# Altium PCB 中子法测量土壤水分_V1.5.PcbDoc (continued)
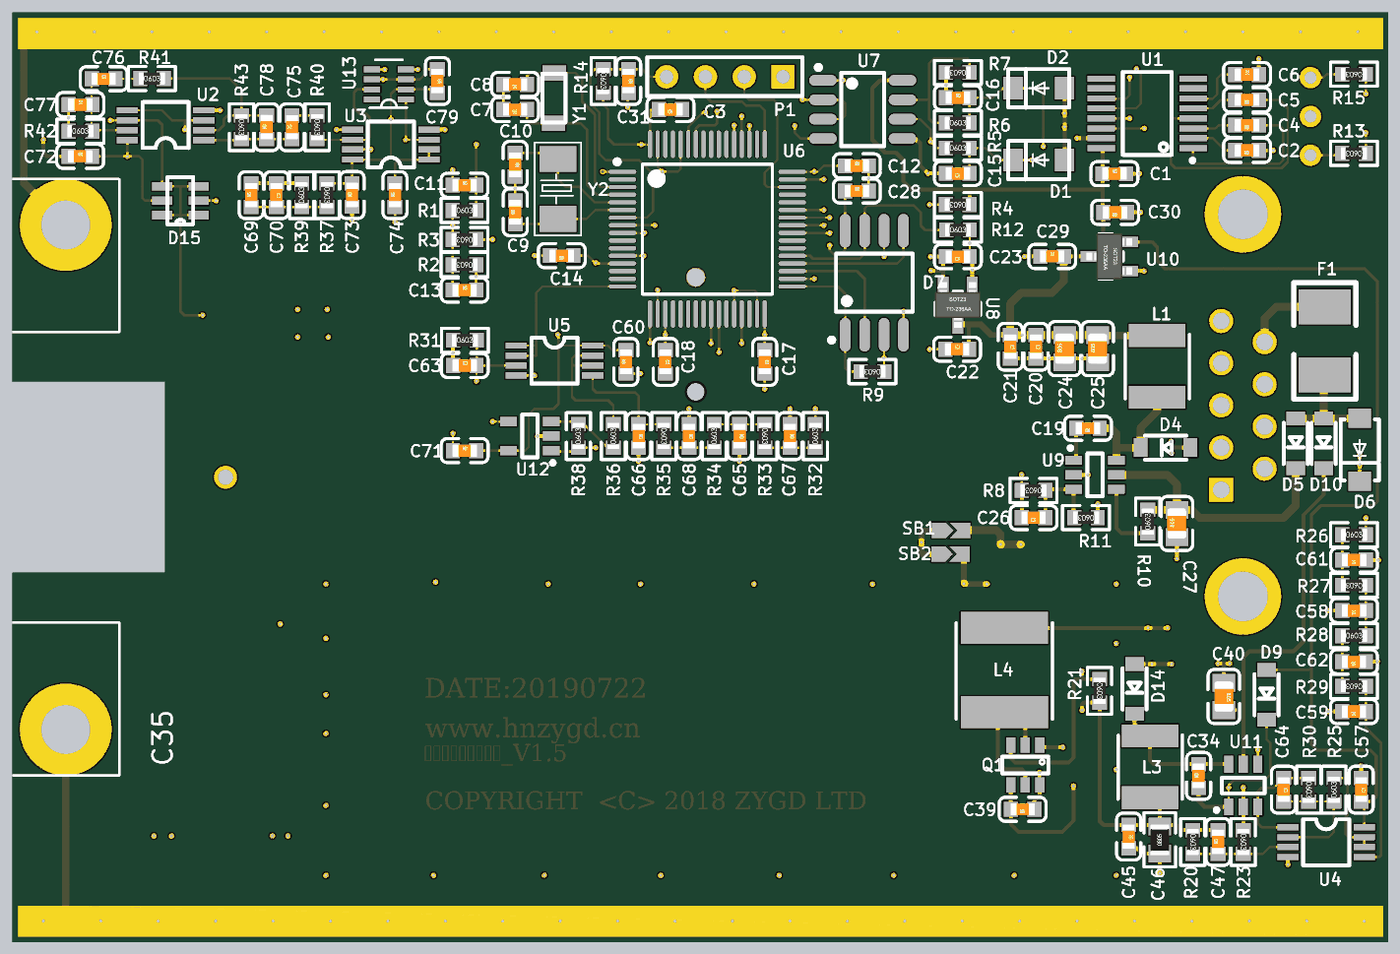
[diagram p4: 3D render of the assembled board from above, using the file's embedded part models]
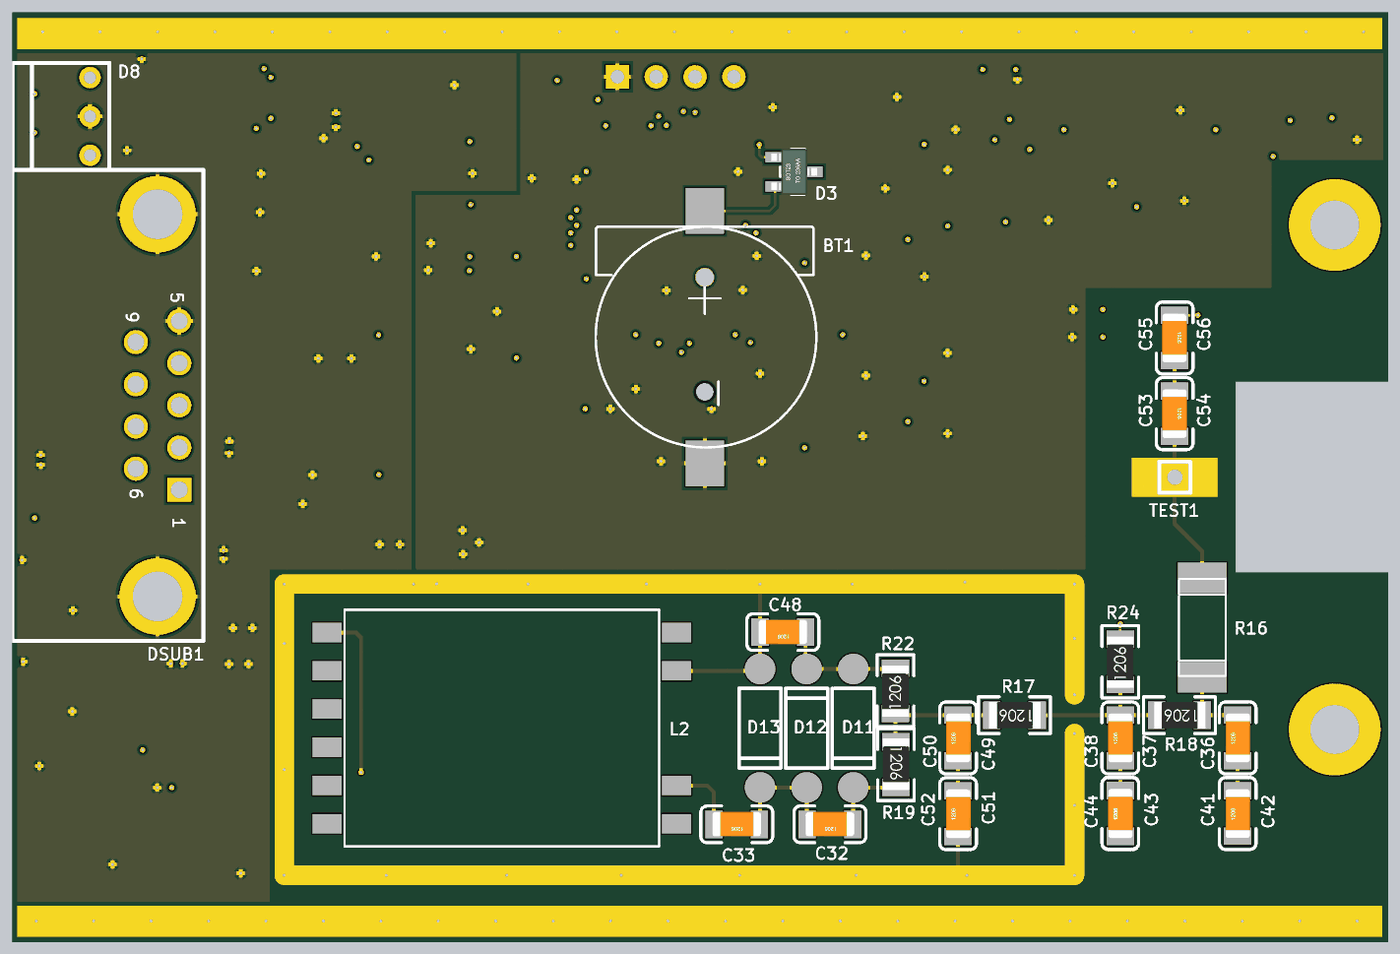
[diagram p5: 3D render of the assembled board from below, using the file's embedded part models]

## Layer stack, top to bottom
Top Solder: solder mask 0.4, Solder Resist, Dk 3.5
Top Layer: signal copper 1.4
Dielectric 1: core 10, FR-4, Dk 4.2
Signal Layer1: signal copper 1.417
Dielectric 3: prepreg 5, FR-4, Dk 4.2
Signal Layer2: signal copper 1.417
Dielectric 2: core 10, FR-4, Dk 4.2
Bottom Layer: signal copper 1.4
Bottom Solder: solder mask 0.4, Solder Resist, Dk 3.5

## Board outline
0,-3.94 0,947.01 393.7,947.01 393.7,1439.13 0,1439.13 0,2389.76 3543.31,2389.76 3543.31,-3.94

## Design rules (kind name [scope] priority, off if disabled: settings)
Clearance [All] p1: gap=6 ignorepadtopadclearanceinfootprint=FALSE except(0: Arc-Hole Track-Hole SMDPad-Hole THPad-Hole Via-Hole Fill-Hole Poly-Hole Region-Hole Text-Hole)
MinimumSolderMaskSliver [All] p1: minsoldermaskwidth=6
PolygonConnect [All] p1: connectstyle=Relief reliefconductorwidth=10 reliefentries=4 polygonreliefangle="90 Angle" airgapwidth=10
RoomDefinition "Signal processing" [InComponentClass('Signal processing')] p1: confinementstyle=ConfineIn formatcopy=TRUE lockcomponents=FALSE outline -30120,-34112.09 -28120,-34112.09 -28120,-33112.09 -30120,-33112.09
RoomDefinition CPU_Circuit [InComponentClass('CPU_Circuit')] p2: confinementstyle=ConfineIn formatcopy=TRUE lockcomponents=FALSE outline -30120,-34112.09 -28120,-34112.09 -28120,-33112.09 -30120,-33112.09
RoutingVias [All] p1: holewidth=7.87 width=11.81 viastyle="Through Hole" minholewidth=7.87 minwidth=11.81 maxholewidth=39.37 maxwidth=50
SilkToSolderMaskClearance [IsPad] p1: minsilkscreentomaskgap=6 clearancetoexposedcopper=TRUE
SolderMaskExpansion [All] p1: expansion=4
Width [All] p1: maxlimit=50 minlimit=6 preferedwidth=10 minimp=50.000000 maximp=50.000000 favimp=50.000000
28 further rules are at their usual default settings.

## Classes and differential pairs
component class CPU_Circuit: BT1 C1 C2 C3 C4 C5 C6 C7 C8 C9 C10 C11 C12 C13 C14 C15 C16 C17 C18 C19 C20 C21 C22 C23 C24 C25 C26 C27 C28 C29 C30 C31 D1 D2 D3 D4 D5 D6 D7 D8 DSUB1 F1 L1 P1 R1 R2 R3 R4 R5 R6 R7 R8 R9 R10 R11 R12 R13 R14 R15 SB1 SB2 U1 U6 U7 U8 U9 U10 Y1 Y2
component class "Signal processing": C32 C33 C34 C35 C36 C37 C38 C39 C40 C41 C42 C43 C44 C45 C46 C47 C48 C49 C50 C51 C52 C53 C54 C55 C56 C57 C58 C59 C60 C61 C62 C63 C64 C65 C66 C67 C68 C69 C70 C71 C72 C73 C74 C75 C76 C77 C78 C79 D9 D10 D11 D12 D13 D14 D15 GND GND1 GND2 GND3 L2 L3 L4 Q1 R16 R17 R18 R19 R20 R21 R22 R23 R24 R25 R26 R27 R28 R29 R30 R31 R32 R33 R34 R35 R36 R37 R38 R39 R40 R41 R42 R43 TEST1 TEST4 U2 U3 U4 U5 U11 U12 U13

## Components (designator, comment, footprint, x,y, rotation, side; value= is the part's Value field where it differs from the comment)
BT1 "CR1220-2" BATTERY-2 1760,1553.82 r90 bottom
C1 "100nF(104) ±10% 50V" 0603_C 2838.16,1974.63 r0 top
C2 "100nF(104) ±10% 50V" 0603_C 3179.69,2034.63 r180 top
C3 "100nF(104) ±10% 50V" 0603_C 1695,2140 r180 top
C4 "100nF(104) ±10% 50V" 0603_C 3179.69,2099.63 r180 top
C5 "100nF(104) ±10% 50V" 0603_C 3179.69,2164.63 r180 top
C6 "100nF(104) ±10% 50V" 0603_C 3179.68,2229.63 r0 top
C7 "12PF (120) ±5% 50V" 0603_C 1295,2139.63 r180 top
C8 "12PF (120) ±5% 50V" 0603_C 1295,2204.63 r180 top
C9 "20PF (200) ±5% 50V" 0603_C 1295.33,1875.31 r90 top
C10 "20PF (200) ±5% 50V" 0603_C 1295.02,1997.49 r270 top
C11 "10nF(103) ±10% 50V" 0603_C 1164.69,1945 r0 top
C12 "100nF(104) ±10% 50V" 0603_C 2175,1995 r0 top
C13 "1uF(105) ±10% 50V" 0603_C 1164.69,1675 r0 top
C14 "100nF(104) ±10% 50V" 0603_C 1415,1763.64 r180 top
C15 "10nF(103) ±10% 50V" 0603_C 2435,1975.33 r180 top
C16 "10nF(103) ±10% 50V" 0603_C 2435,2170.33 r0 top
C17 "100nF(104) ±10% 50V" 0603_C 1937.64,1490 r270 top
C18 "100nF(104) ±10% 50V" 0603_C 1681.73,1490 r270 top
C19 "100nF(104) ±10% 50V" 0603_C 2770,1319.09 r180 top
C20 "100nF(104) ±10% 50V" 0603_C 2636.17,1529.05 r270 top
C21 "100nF(104) ±10% 50V" 0603_C 2570,1529.05 r270 top
C22 "1uF(105) ±10% 50V" 0603_C 2433.1,1522.7 r0 top
C23 "1uF(105) ±10% 50V" 0603_C 2435,1761.17 r180 top
C24 "10uF(106) ±10% 25V" 0805_C 2710,1524.05 r90 top
C25 "10uF(106) ±10% 25V" 0805_C 2795,1524.05 r90 top
C26 "33pF(330) ±5% 50V" 0603_C 2630,1089.09 r180 top
C27 "10uF(106) ±10% 25V" 0805_C 2999.09,1073.85 r90 top
C28 "100nF(104) ±10% 50V" 0603_C 2175,1930 r0 top
C29 "1uF(105) ±10% 50V" 0603_C 2677.84,1761.52 r0 top
C30 "1uF(105) ±10% 50V" 0603_C 2840,1875 r180 top
C31 "100nF(104) ±10% 50V" 0603_C 1587.07,2213.16 r270 top
C32 "4.7nF(472) ±10% 2KV" 1206_C 1437.65,299.17 r0 bottom
C33 "4.7nF(472) ±10% 2KV" 1206_C 1677.65,299.17 r0 bottom
C34 "100nF(104) ±10% 50V" 0603_C 3055,423.87 r90 top
C35 "4.7nF(472) ±10% 2KV" 1206_C 387.66,521.57 r90 bottom
C36 "4.7nF(472) ±10% 2KV" 1206_C 387.66,521.57 r90 bottom
C37 "4.7nF(472) ±10% 2KV" 1206_C 690,521.57 r90 bottom
C38 "4.7nF(472) ±10% 2KV" 1206_C 690,521.57 r90 bottom
C39 "220nF (224) ±10% 25V" 0603_C 2601.8,337.87 r180 top
C40 "10uF(106) ±10% 25V" 0805_C 3120.04,628.37 r270 top
C41 "4.7nF(472) ±10% 2KV" 1206_C 387.66,326.98 r90 bottom
C42 "4.7nF(472) ±10% 2KV" 1206_C 387.66,326.98 r90 bottom
C43 "4.7nF(472) ±10% 2KV" 1206_C 690,326.57 r90 bottom
C44 "4.7nF(472) ±10% 2KV" 1206_C 690,327.95 r90 bottom
C45 "100nF(104) ±10% 50V" 0603_C 2875,267.6 r270 top
C46 "22uF(226) ±20% 25V" 0805_R 2955,258.87 r90 top
C47 "33pF(330) ±5% 50V" 0603_C 3104.96,253.87 r90 top
C48 "4.7nF(472) ±10% 2KV" 1206_C 1558.98,794.17 r0 bottom
C49 "4.7nF(472) ±10% 2KV" 1206_C 1107.66,521.57 r90 bottom
C50 "4.7nF(472) ±10% 2KV" 1206_C 1107.66,521.57 r90 bottom
C51 "4.7nF(472) ±10% 2KV" 1206_C 1107.66,326.57 r90 bottom
C52 "4.7nF(472) ±10% 2KV" 1206_C 1107.66,326.57 r90 bottom
C53 "100pF(101) ±5% 2kV" 1206_C 550,1356.57 r270 bottom
C54 "100pF(101) ±5% 2kV" 1206_C 550,1356.57 r270 bottom
C55 "100pF(101) ±5% 2kV" 1206_C 550,1551.57 r270 bottom
C56 "100pF(101) ±5% 2kV" 1206_C 550,1551.57 r270 bottom
C57 "10nF(103) ±10% 50V" 0603_C 3473.5,388.39 r270 top
C58 "100nF(104) ±10% 50V" 0603_C 3455.32,849.73 r180 top
C59 "10nF(103) ±10% 50V" 0603_C 3455,589.73 r180 top
C60 "10nF(103) ±10% 50V" 0603_C 1580,1490 r90 top
C61 "220nF (224) ±10% 25V" 0603_C 3455.32,979.73 r180 top
C62 "47nF(473) ±10% 50V" 0603_C 3455,717.91 r180 top
C63 "1nF(102) ±10% 50V" 0603_C 1165.22,1480.68 r0 top
C64 "1nF(102) ±10% 50V" 0603_C 3273.5,388.39 r270 top
C65 "100nF(104) ±10% 50V" 0603_C 1872.84,1299.02 r270 top
C66 "10nF(103) ±10% 50V" 0603_C 1612.84,1299.02 r270 top
C67 "220nF (224) ±10% 25V" 0603_C 2002.84,1299.02 r270 top
C68 "47nF(473) ±10% 50V" 0603_C 1742.84,1299.02 r270 top
C69 "1nF(102) ±10% 50V" 0603_C 615.31,1919.45 r90 top
C70 "1uF(105) ±10% 50V" 0603_C 680.31,1919.45 r270 top
C71 "10nF(103) ±10% 50V" 0603_C 1165,1261.62 r0 top
C72 "10nF(103) ±10% 50V" 0603_C 175,2019.45 r0 top
C73 "10nF(103) ±10% 50V" 0603_C 875,1919.76 r90 top
C74 "1uF(105) ±10% 50V" 0603_C 985.31,1919.45 r90 top
C75 "100nF(104) ±10% 50V" 0603_C 720.31,2094.13 r90 top
C76 "100nF(104) ±10% 50V" 0603_C 235.31,2219.13 r0 top
C77 "1pF(010) ±0.25pF 50V" 0603_C 175.32,2152.75 r0 top
C78 "1nF(102) ±10% 50V" 0603_C 655,2094.45 r90 top
C79 "10nF(103) ±10% 50V" 0603_C 1095,2213.16 r270 top
D1 "SMAJ10CA" SMA/DO-214AC 2643.5,2009.63 r180 top
D2 "SMAJ10CA" SMA/DO-214AC 2643.5,2194.63 r180 top
D3 "BAT54C" SOT-23(SOT-23-3) 1530,1979.54 r0 bottom
D4 "B5819W" SOD-123 2970,1269.09 r0 top
D5 "B5819W" SOD-123 3305,1280 r90 top
D6 "SMAJ20CA" SMA(DO-214AC) 3470,1263.7 r270 top
D7 "W25Q128FVSIG" SOIC-8_208mil 2220,1693.86 r90 top
D8 "L-130WDT_1EGW" L-130WDT_1EGW 3343,2122.05 r270 bottom
D9 "B5819W" SOD-123 3230,632.91 r90 top
D10 "B5819W" SOD-123 3377,1280 r90 top
D11 "R3000F" R3000F 1377.65,546.67 r270 bottom
D12 "R3000F" R3000F 1497.65,546.67 r90 bottom
D13 "R3000F" R3000F 1617.65,546.67 r270 bottom
D14 "B5819W" SOD-123 2890,647.91 r90 top
D15 "PRTR5V0U4D" TSOP-6 433,1905 r180 top
DSUB1 "DMR-9S" DMR-9S 3169.1,1377.95 r0 bottom
F1 "mSMD050-60V" 1812 3380,1544 r270 top
L1 "4.7uH ±20% 1.34A" IND-404020 2948.34,1478.59 r270 top
L2 "FL2015-5L" FL2015-5L 1832.65,792.87 r0 bottom
L3 "4.7uH ±20% 1.34A" IND-404020 2930.04,447.37 r270 top
L4 "1mH ±20% 0.3A" IND-606045 2555.09,696.41 r90 top
P1 "4P-2.54排针" 4P排针 1985,2224.13 r180 top
Q1 "FMB2222A" SUPERSOT-6(SSOT-6) 2608.77,451.77 r180 top
R1 "7.5KΩ(7501) ±1%" 0603_R 1164.69,1880 r0 top
R2 "7.5KΩ(7501) ±1%" 0603_R 1164.69,1740 r180 top
R3 "1KΩ(1001) ±1%" 0603_R 1164.69,1805 r180 top
R4 "10KΩ(1002) ±1%" 0603_R 2435,1895 r180 top
R5 "100Ω (1000) ±1%" 0603_R 2435,2040.33 r0 top
R6 "100Ω (1000) ±1%" 0603_R 2435,2105.33 r0 top
R7 "10KΩ(1002) ±1%" 0603_R 2435,2235.33 r180 top
R8 "82KΩ (8202) ±1%" 0603_R 2629.69,1159.09 r180 top
R9 "10KΩ(1002) ±1%" 0603_R 2215,1465 r180 top
R10 "100KΩ(1003) ±1%" 0603_R 2924.09,1078.85 r90 top
R11 "20KΩ(2002) ±1%" 0603_R 2765,1089.09 r180 top
R12 "10KΩ(1002) ±1%" 0603_R 2435.31,1829.67 r0 top
R13 "1KΩ(1001) ±1%" 0603_R 3455,2027.02 r180 top
R14 "10KΩ(1002) ±1%" 0603_R 1521.76,2213.16 r270 top
R15 "1KΩ(1001) ±1%" 0603_R 3455,2230.72 r180 top
R16 "10MΩ(106) ±5%" 2512 479,805.87 r270 bottom
R17 "1MΩ(1004) ±1%" 1206_R 962.66,580.24 r0 bottom
R18 "1MΩ(1004) ±1%" 1206_R 537.66,580.24 r0 bottom
R19 "1MΩ(1004) ±1%" 1206_R 1267.66,452.87 r270 bottom
R20 "20KΩ(2002) ±1%" 0603_R 3039.96,253.87 r270 top
R21 "2KΩ(2001) ±1%" 0603_R 2800,642.91 r270 top
R22 "1MΩ(1004) ±1%" 1206_R 1268.98,642.87 r90 bottom
R23 "20KΩ(2002) ±1%" 0603_R 3169.96,253.87 r270 top
R24 "100MΩ(1006) ±1%" 1206_R 690,717.54 r90 bottom
R25 "10KΩ(1002) ±1%" 0603_R 3403.5,388.39 r90 top
R26 "100KΩ(1003) ±1%" 0603_R 3455.32,1044.73 r0 top
R27 "100KΩ(1003) ±1%" 0603_R 3455.32,914.73 r180 top
R28 "100KΩ(1003) ±1%" 0603_R 3455.32,784.73 r0 top
R29 "100KΩ(1003) ±1%" 0603_R 3455.32,654.73 r180 top
R30 "20KΩ(2002) ±1%" 0603_R 3338.5,388.39 r270 top
R31 "100KΩ(1003) ±1%" 0603_R 1165.54,1545.68 r0 top
R32 "100KΩ(1003) ±1%" 0603_R 2067.84,1299.02 r90 top
R33 "100KΩ(1003) ±1%" 0603_R 1937.84,1299.02 r270 top
R34 "100KΩ(1003) ±1%" 0603_R 1807.84,1299.02 r90 top
R35 "100KΩ(1003) ±1%" 0603_R 1677.84,1299.02 r270 top
R36 "1KΩ(1001) ±1%" 0603_R 1547.84,1299.02 r90 top
R37 "10KΩ(1002) ±1%" 0603_R 810.31,1919.45 r270 top
R38 "100KΩ(1003) ±1%" 0603_R 1457.84,1299.02 r90 top
R39 "10KΩ(1002) ±1%" 0603_R 745.31,1919.45 r90 top
R40 "499Ω(4990) ±1%" 0603_R 785,2094.45 r270 top
R41 "1KΩ(1001) ±1%" 0603_R 360,2219.45 r0 top
R42 "22MΩ(226) ±5%" 0603_R 175.31,2084.13 r0 top
R43 "20KΩ(2002) ±1%" 0603_R 590,2094.45 r270 top
SB1 "SB" SB_0603 2417.5,1056.25 r180 top
SB2 "SB" SB_0603 2416.25,995 r180 top
TEST1 "TEST" TEST 549.27,1192.91 r270 bottom
U1 "SP3232EEY-L/TR" TSSOP-16 2922.53,2129.63 r180 top
U2 "RS8752XM" MSOP-8 395,2099.45 r180 top
U3 "RS8752XM" MSOP-8 975,2049.45 r180 top
U4 "RS8752XM" MSOP-8 3383.5,253.39 r0 top
U5 "RS8752XM" MSOP-8 1396.34,1493.5 r0 top
U6 "STM32F103RET6" LQFP-64_10x10x05P 1790,1831.9 r270 top
U7 "SP3485EN-L/TR" SOIC-8_150mil 2190,2140 r270 top
U8 "MCP1700T-3302E/TT" SOT-23(SOT-23-3) 2435,1636.17 r90 top
U9 "MP2451DT-LF-Z" SOT-23-6 2788.03,1199.09 r180 top
U10 "MCP1700T-3302E/TT" SOT-23(SOT-23-3) 2825,1761.52 r0 top
U11 "MP2451DT-LF-Z" SOT-23-6 3170,398.87 r270 top
U12 "TP1961-TR" SOT-23-5 1332.84,1299.02 r0 top
U13 "AD5245BRJZ10-RL7" SOT-23-8 970,2204.45 r180 top
Y1 "32.768KHz ±20ppm 12.5pF" SMD-3215_2P 1395,2169.32 r270 top
Y2 "SX530GA 8MHZ 20PF 10PPM" SMD-5032_2P 1405.02,1935.31 r90 top

## Footprints (in the part's own frame and the unit in brackets; to place one, negate y for a bottom-side part, rotate by r counter-clockwise, add the part's x,y. Pads: shape width x height; smd on the part's side, far side on the other; paste and mask are expansions set on the pad)
4P排针 [mil] "2.54排针"
  rect 60x60 hole 35: 1(0,0)
  round 60 hole 35: 2(100,0) 3(200,0) 4(300,0)
  silkscreen extent -50,-50 350,50
0603_C [mm]
  rect 0.93x0.98 smd: 1(-0.77,0) 2(0.77,0)
  silkscreen extent -1.53,-0.79 1.54,0.79, body extent -0.8,-0.4 0.8,0.4, height 0.3
0603_R [mm]
  rect 0.93x0.98 smd: 1(-0.77,0) 2(0.77,0)
  silkscreen extent -1.53,-0.79 1.54,0.79, body extent -0.85,-0.4 0.85,0.4, height 0.56
0805_C [mm]
  rect 1.16x1.47 smd: 1(-0.89,0) 2(0.89,0)
  silkscreen extent -1.77,-1.04 1.77,1.04, body extent -1,-0.62 1,0.63, height 0.77
0805_R [mm]
  rect 1.16x1.47 smd: 1(-0.89,0) 2(0.89,0)
  silkscreen extent -1.77,-1.04 1.77,1.03, body extent -1,-0.62 1,0.63, height 0.49
1206_C [mm]
  rect 1.13x1.8 smd: 1(-1.49,0) 2(1.49,0)
  silkscreen extent -2.36,-1.2 2.35,1.2, body extent -1.6,-0.81 1.6,0.79, height 1
1206_R [mm]
  rect 1.13x1.8 smd: 1(-1.49,0) 2(1.49,0)
  silkscreen extent -2.36,-1.2 2.35,1.2, body extent -1.7,-0.86 1.65,0.87, height 0.85
1812 [mil]
  rect 90x133.86 smd: 1(-88,0) 2(88,0)
  silkscreen extent -150,-80 150,80
2512 [mil]
  rect 78.7x126 smd: 1(-128,0) 2(128,0)
  silkscreen extent -125,-60 125,60
BATTERY-2 [mm]
  round 1.152 hole 1.152 unplated paste+1.152 mask+0.148: 0(-3.581,0)
  round 1.2 hole 1.2: 0(3.912,0)
  rect 3x2.5 smd: 1(8.255,0) 2(-8.255,0)
  silkscreen extent -7.22,-7.3 7.22,7.14
DMR-9S [mil]
  rect 62x62 hole 43.31: 1(-55.9,217.32)
  round 62 hole 43.31: 2(-55.9,108.65) 3(-55.9,0) 4(-55.9,-108.67) 5(-55.9,-217.32) 6(55.9,162.99) 7(55.9,54.33) 8(55.9,-54.33) 9(55.9,-162.99)
  round 196.85 hole 127.95: 10(-0.01,492.12) 11(-0.01,-492.12)
  silkscreen extent -118,-606 610,606
FL2015-5L [mm] "CCFL升压变压器"
  rect 1.9x1.27 smd: 1(22.865,0) 2(22.865,2.5) 3(22.865,5) 4(22.865,7.5) 5(22.865,10) 6(22.865,12.5) 7(0,12.5) 8(0,10) 9(0,2.5) 10(0,0)
  silkscreen extent 1.14,-1.5 21.72,13.99
IND-404020 [mm]
  rect 1.5x3.7 smd: 1(2.019,0) 2(-2.019,0)
  silkscreen extent -2.08,-2.09 2.12,2.11
IND-606045 [mil]
  rect 82.68x224.41 smd: 1(108.5,0.5) 2(-108.5,-0.5)
  silkscreen extent -127,-124 122,125
L-130WDT_1EGW [mm] "红绿二合一LED"
  round 1.4 hole 0.8: 1(-2.54,0) 2(0,0) 3(2.54,0)
  silkscreen extent -3.5,-5.08 3.5,1.27
LQFP-64_10x10x05P [mm]
  oval 0.28x1.8 smd mask+0.051: 1(-3.75,-5.55) 2(-3.25,-5.55) 3(-2.75,-5.55) 4(-2.25,-5.55) 5(-1.75,-5.55) 6(-1.25,-5.55) 7(-0.75,-5.55) 8(-0.25,-5.55) 9(0.25,-5.55) 10(0.75,-5.55) 11(1.25,-5.55) 12(1.75,-5.55) 13(2.25,-5.55) 14(2.75,-5.55) 15(3.25,-5.55) 16(3.75,-5.55) 33(3.75,5.55) 34(3.25,5.55) 35(2.75,5.55) 36(2.25,5.55) 37(1.75,5.55) 38(1.25,5.55) 39(0.75,5.55) 40(0.25,5.55) 41(-0.25,5.55) 42(-0.75,5.55) 43(-1.25,5.55) 44(-1.75,5.55) 45(-2.25,5.55) 46(-2.75,5.55) 47(-3.25,5.55) 48(-3.75,5.55)
  oval 1.8x0.28 smd mask+0.051: 17(5.55,-3.75) 18(5.55,-3.25) 19(5.55,-2.75) 20(5.55,-2.25) 21(5.55,-1.75) 22(5.55,-1.25) 23(5.55,-0.75) 24(5.55,-0.25) 25(5.55,0.25) 26(5.55,0.75) 27(5.55,1.25) 28(5.55,1.75) 29(5.55,2.25) 30(5.55,2.75) 31(5.55,3.25) 32(5.55,3.75) 49(-5.55,3.75) 50(-5.55,3.25) 51(-5.55,2.75) 52(-5.55,2.25) 53(-5.55,1.75) 54(-5.55,1.25) 55(-5.55,0.75) 56(-5.55,0.25) 57(-5.55,-0.25) 58(-5.55,-0.75) 59(-5.55,-1.25) 60(-5.55,-1.75) 61(-5.55,-2.25) 62(-5.55,-2.75) 63(-5.55,-3.25) 64(-5.55,-3.75)
  silkscreen extent -4.55,-6.05 4.25,4.25
MSOP-8 [mil]
  rect 55x16 smd: 1(-98.5,38.5) 2(-98.5,12.5) 3(-98.5,-12.5) 4(-98.5,-38.5) 5(98.5,-38.5) 6(98.5,-12.5) 7(98.5,12.5) 8(98.5,38.5)
  silkscreen extent -60,-60 60,59
R3000F [mm]
  round 2 smd: 1(-3.873,0) 2(3.873,0)
  silkscreen extent -2.6,-1.37 2.6,1.37
SB_0603 [mil] "短接焊点"
  rect 32x40 smd: 1(33.75,0) 2(-33.75,0)
  Top Layer region: 23.75,20 13.75,20 -6.25,0 13.75,-20 23.75,-20
  Top Layer region: -26.25,0 -16.25,0 3.75,20 -26.25,20
  Top Layer region: -26.25,0 -16.25,0 3.75,-20 -26.25,-20
SMA(DO-214AC) [mil]
  rect 50x57.9 smd: 1(-81,0) 2(81,0)
  silkscreen extent -78,-49 79,49
SMA/DO-214AC [mil]
  rect 50x57.9 smd: 1(-66.3,0) 2(66.3,0)
  silkscreen extent -79,-50 79,50
SMD-3215_2P [mil]
  rect 39.37x60 smd: 1(-64.88,0.95) 2(64.87,-0.96)
  silkscreen extent -63,-30 63,29
SMD-5032_2P [mm]
  rect 1.7x2.4 smd: 1(-1.96,0.001) 2(1.96,-0.001)
  silkscreen extent -3.05,-1.52 3.05,1.52
SOD-123 [mil]
  rect 35.8x48 smd: 1(64,0) 2(-64,0)
  silkscreen extent -53,-31 53,31
SOIC-8_150mil [mm]
  oval 0.7x1.8 smd: 1(-1.905,-2.6) 2(-0.635,-2.6) 3(0.635,-2.6) 4(1.905,-2.6) 5(1.905,2.6) 6(0.635,2.6) 7(-0.635,2.6) 8(-1.905,2.6)
  silkscreen extent -2.9,-3.05 2.4,1.4
SOIC-8_208mil [mm]
  oval 2.2x0.7 smd: 1(-3.4,1.905) 2(-3.4,0.635) 3(-3.4,-0.635) 4(-3.4,-1.905) 5(3.4,-1.905) 6(3.4,-0.635) 7(3.4,0.635) 8(3.4,1.905)
  silkscreen extent -3.9,-2.5 1.9,2.95
SOT-23(SOT-23-3) [mm]
  rect 1.25x0.7 smd: 1(1.25,-0.95) 2(1.25,0.95) 3(-1.25,0)
  silkscreen extent -0.65,-1.46 0.9,1.46, body extent -1.5,-1.5 1.5,1.5, height 1.3
SOT-23-5 [mm]
  rect 1.1x0.6 smd: 1(1.4,-0.95) 2(1.4,0) 3(1.4,0.95) 4(-1.4,0.95) 5(-1.4,-0.95)
  silkscreen extent -0.5,-1.87 1.63,1.4
SOT-23-6 [mm]
  rect 1.1x0.6 smd: 1(1.4,-0.95) 2(1.4,0) 3(1.4,0.95) 4(-1.4,0.95) 5(-1.4,0) 6(-1.4,-0.95)
  silkscreen extent -0.5,-1.87 1.72,1.4
SOT-23-8 [mm]
  rect 1.06x0.4 smd: 1(-1.1,0.98) 2(-1.1,0.33) 3(-1.1,-0.33) 4(-1.1,-0.98) 5(1.1,-0.98) 6(1.1,-0.33) 7(1.1,0.33) 8(1.1,0.98)
  silkscreen extent -1.18,-1.61 1.27,1.52
SUPERSOT-6(SSOT-6) [mil]
  rect 24x39.4 smd: 1(-37.4,-51.2) 2(0,-51.2) 3(37.4,-51.2) 4(37.4,51.2) 5(0,51.2) 6(-37.4,51.2)
  silkscreen extent -59,-22 59,22
TEST [mm] "检测"
  round 1.5 hole 1: 1(0,0)
  silkscreen extent -1.02,-1.03 1.01,1.01
TSOP-6 [mil]
  rect 52x22 smd: 1(-47,37) 2(-47,0) 3(-47,-37) 4(47,-37) 5(47,0) 6(47,37)
  silkscreen extent -33,-61 33,61
TSSOP-16 [mil]
  rect 71x16 smd: 1(-118.11,89.5) 2(-118.11,63.5) 3(-118.11,38.5) 4(-118.11,12.5) 5(-118.11,-13.5) 6(-118.11,-38.5) 7(-118.11,-64.5) 8(-118.11,-89.5) 9(118.11,-89.5) 10(118.11,-64.5) 11(118.11,-38.5) 12(118.11,-13.5) 13(118.11,12.5) 14(118.11,38.5) 15(118.11,63.5) 16(118.11,89.5)
  silkscreen extent -122,-107 63,126

## Part data
BT1: "电池底座"
C1 C2 C3 C4 C5 C6 C12 C14 C17 C18 C19 C20 C21 C28 C31 C34 C45 C58 C65 C75 C76: library part 100nF, "贴片电容"
C7 C8 C9 C10 C39 C61 C67: "贴片电容"
C11 C15 C16 C57 C59 C60 C66 C71 C72 C73 C79: library part 10nF, "贴片电容"
C13 C22 C23 C29 C30 C70 C74: library part 1uF, "贴片电容"
C24 C25 C27 C40 C46: library part 10uF, "贴片电容"
C26 C47: library part 33pF, "贴片电容"
C32 C33 C35 C36 C37 C38 C41 C42 C43 C44 C48 C49 C50 C51 C52: library part 4.7nF, "贴片电容(X7R)"
C53 C54 C55 C56: library part 100pF, "贴片电容(X7R)"
C62 C68: library part 47nF, "贴片电容"
C63 C64 C69 C78: library part 1nF, "贴片电容"
C77: library part 1pF, "贴片电容"
D1 D2 D6: "TVS二极管"
D3: "二极管"
D4 D5 D9 D10 D14: "肖特基二极管"
D7: "SPI Flash 华邦电子"
D8: "红绿LED"
D11 D12 D13: "高压二极管"
D15: "ESD二极管"
DSUB1: "DB9串口母头-孔-PCB焊接"
F1: "贴片保险丝"
L1 L3: library part 4.7uH, "功率电感"
L2: library part TRANSCT8, "高压变压器（CCFL）"
L4: library part 1mH, "功率电感"
P1: library part "Header 4"
Q1: "三极管"
R1 R2: library part 7.5K, "贴片电阻"
R3 R13 R15 R36 R41: library part 1K, "贴片电阻"
R4 R7 R9 R12 R14 R25 R37 R39: library part 10K, "贴片电阻"
R5 R6: "贴片电阻"
R8: library part 82K, "贴片电阻"
R10 R26 R27 R28 R29 R31 R32 R33 R34 R35 R38: library part 100K, "贴片电阻"
R11 R20 R23 R30 R43: library part 20K, "贴片电阻"
R16: library part 10M, "贴片电阻"
R17 R18 R19 R22: library part 1M, "贴片电阻"
R21: library part 2K, "贴片电阻"
R24: library part 100M, "贴片电阻"
R40: library part 499, "贴片电阻"
R42: library part 22M, "贴片电阻"
SB1 SB2: library part Res2, "短接焊点"
TEST1: library part SOCKET-STD, "测试点"
U1: "RS232оƬ"
U2 U3 U4 U5: "轨到轨运放"
U6: "单片机"
U8 U10: "LDO电源"
U9 U11: library part JW5017S, "DC-DCоƬ"
U12: "电压比较器"
U13: library part AD5245, "数字电位器"
Y1: library part 32.768KHz, "贴片晶振"
Y2: library part 8MHz, "贴片晶振"

## Free pads (board coordinates)
  round 236.22 hole 125.98: 1(137.8,543.31) 2(137.8,1842.52)

## Via types
v1: diameter 13.78, hole 7.87, Top Layer to Bottom Layer, 224 vias
